# Altium PCB SolderingStation-V3.PcbDoc (part 1 of 2)
Units mm, origin at the board's own origin, x right, y up, seen from the top; angles counter-clockwise.
Board outline 138.15 x 60.81 mm, 2 copper layers (Top Layer, Bottom Layer), stack 1.671 mm thick; 179 components, 102 nets, 520 pads, 415 vias.
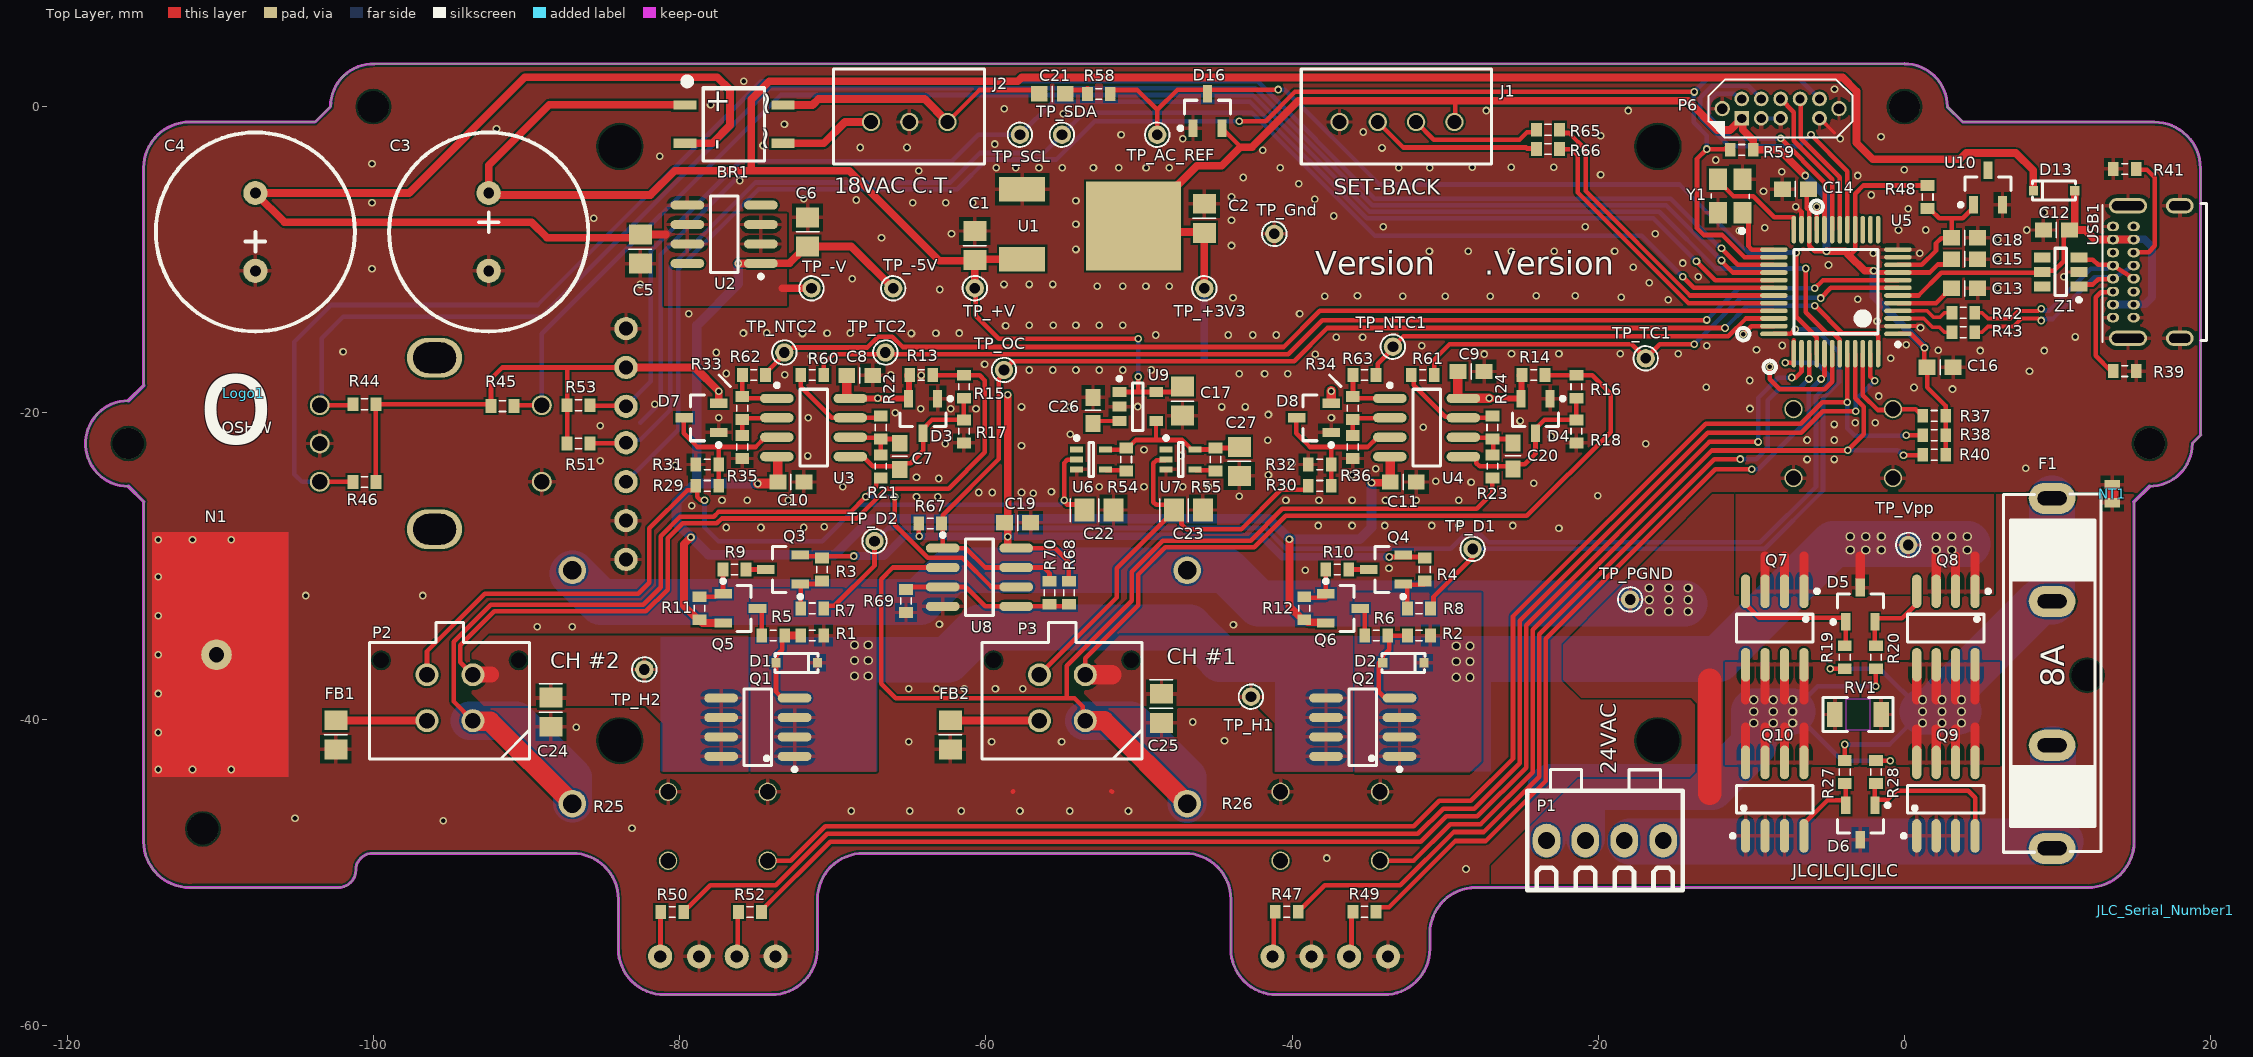
[diagram p0: Top Layer view]
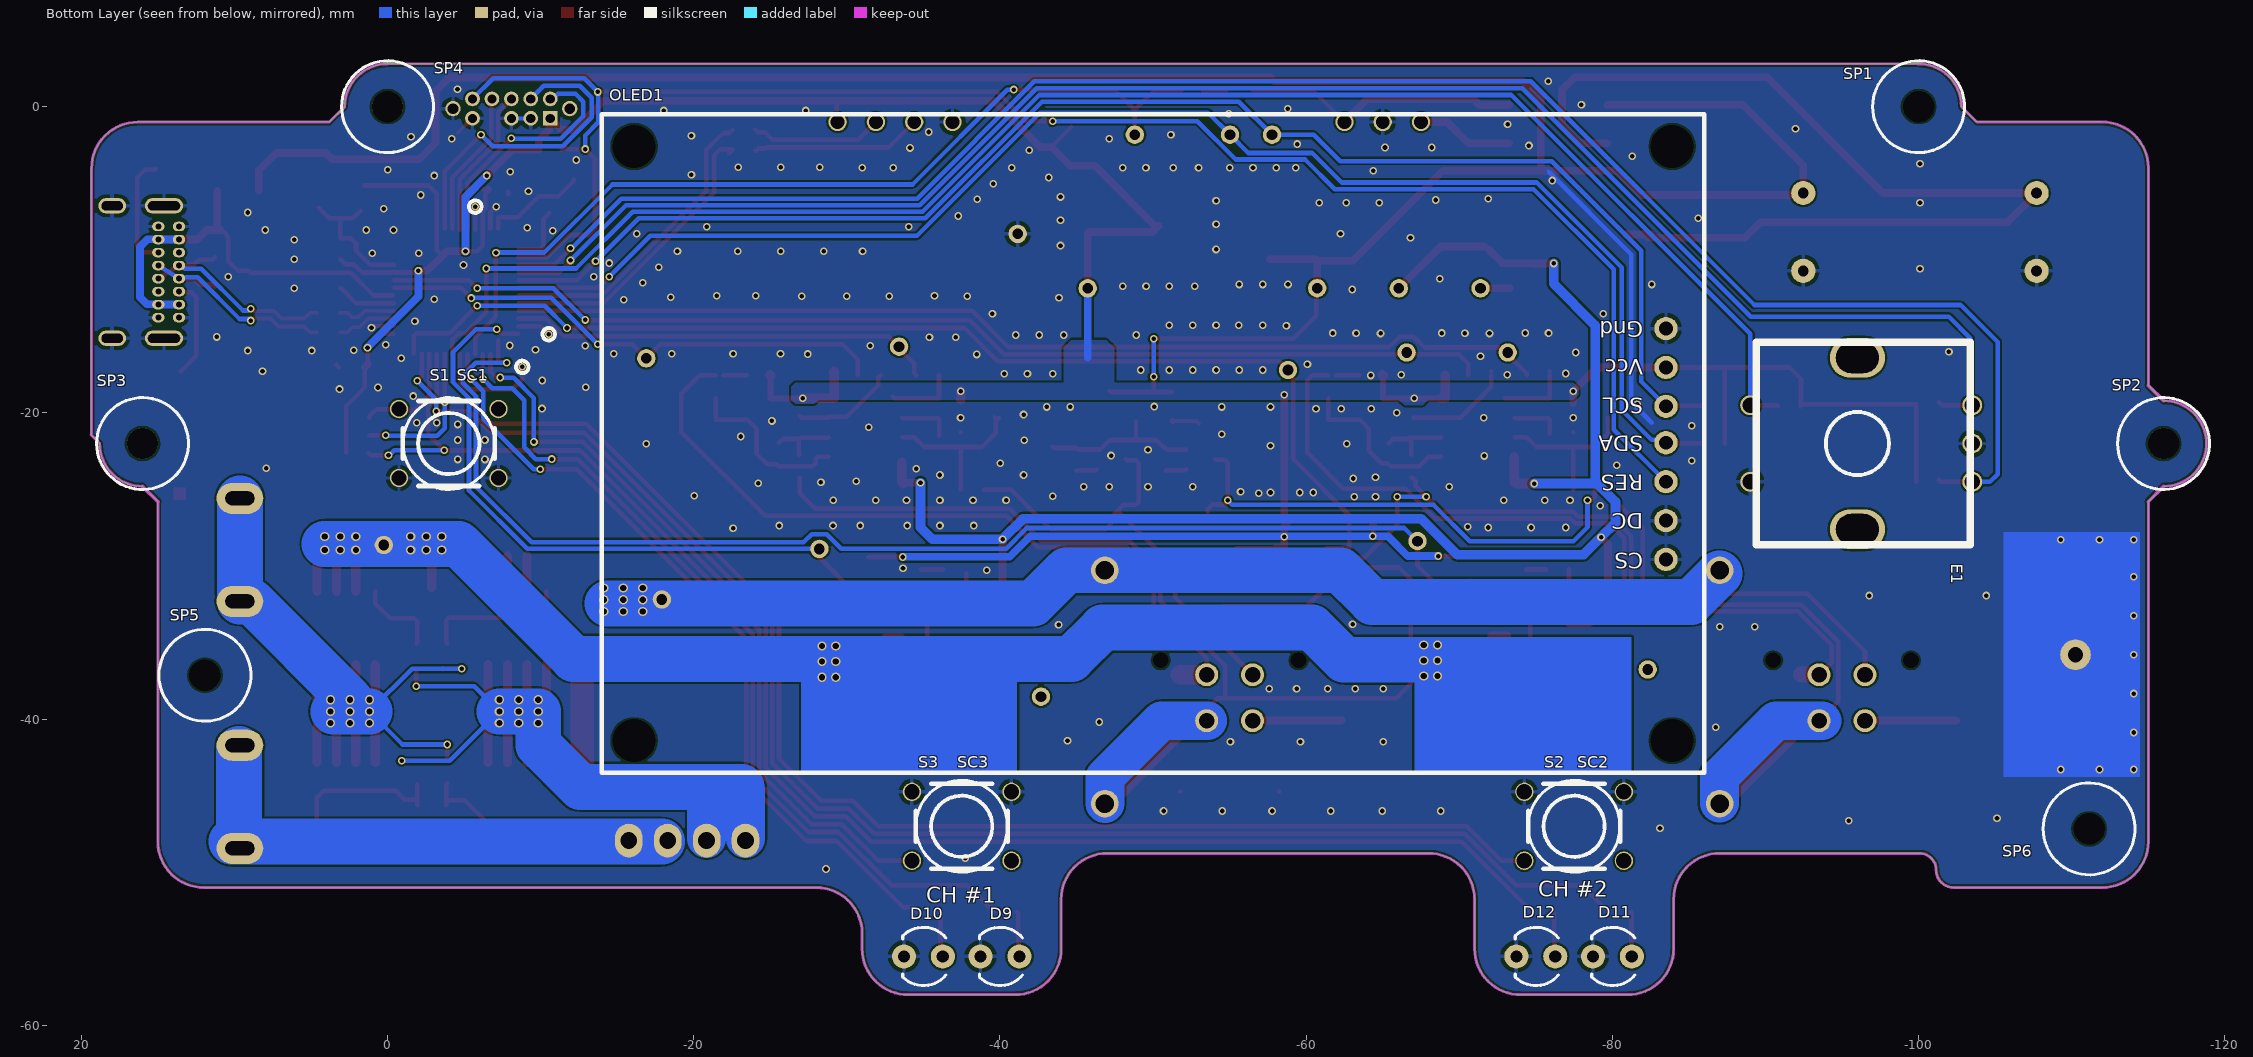
[diagram p1: Bottom Layer view, seen from below]
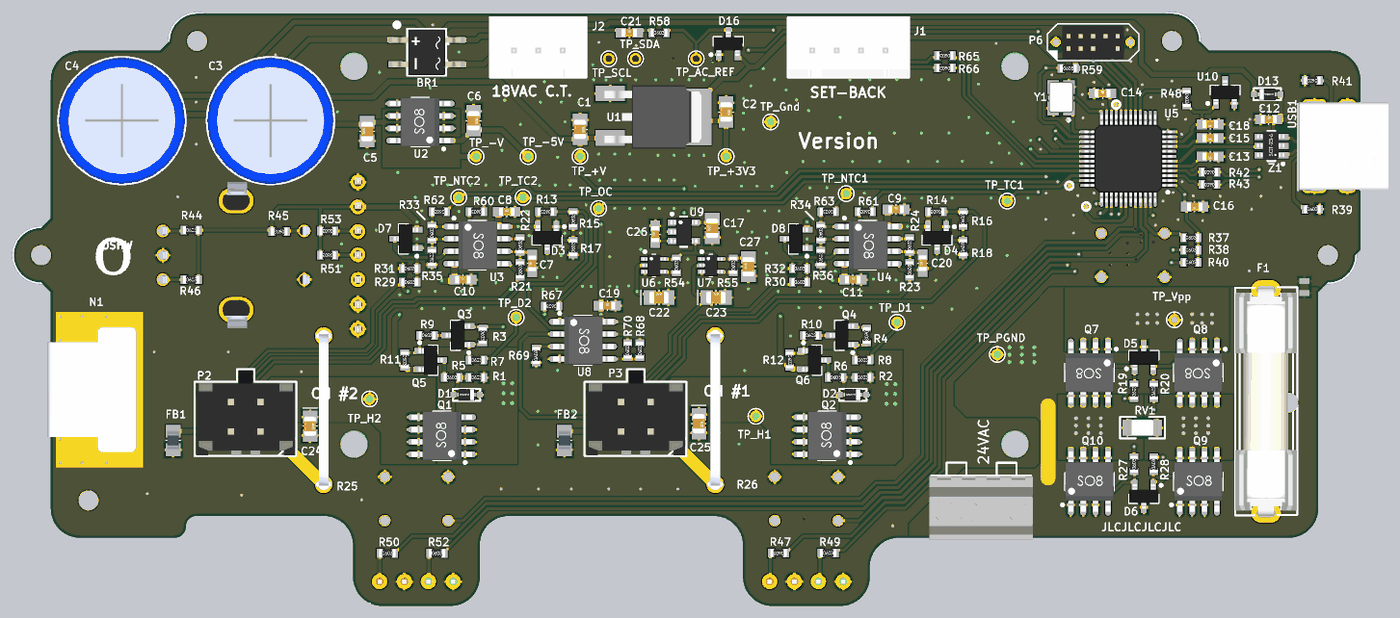
[diagram p3: 3D render of the assembled board from above, using the file's embedded part models]
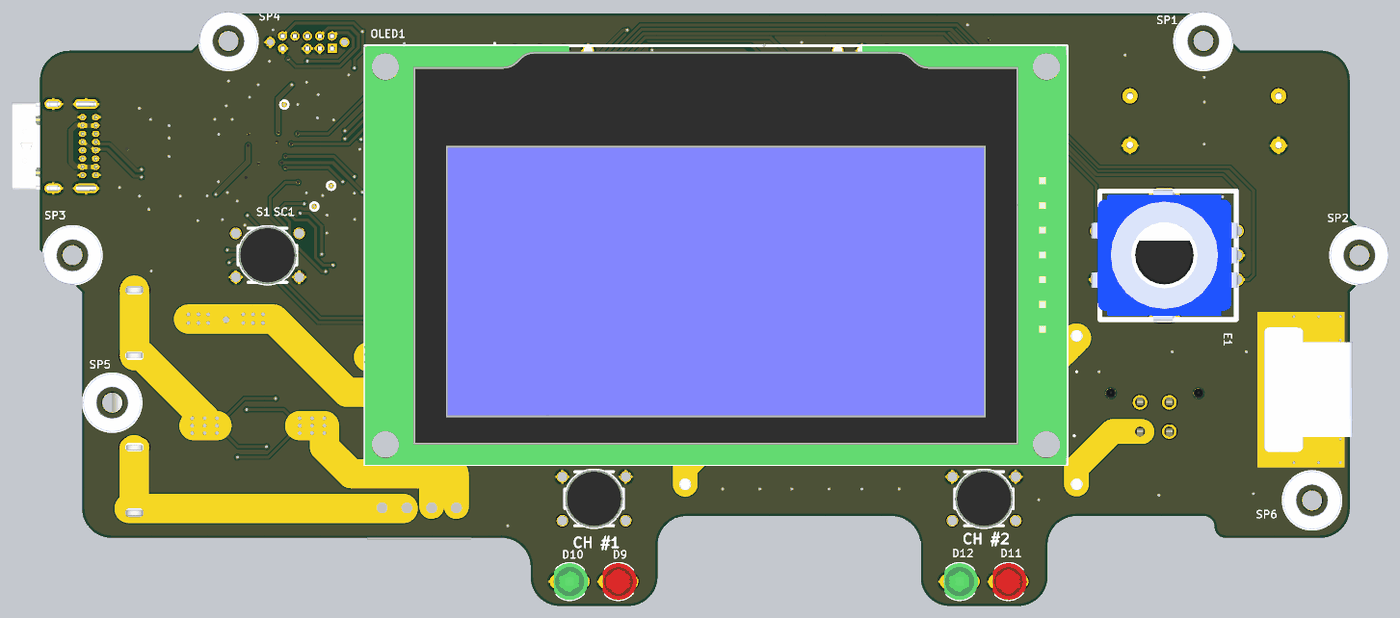
[diagram p4: 3D render of the assembled board from below, using the file's embedded part models]

## Layer stack, top to bottom
Top Solder: solder mask 0.0102, Solder Resist, Dk 3.5
Top Layer: signal copper 0.0356
Dielectric 1: dielectric 1.6, FR-4, Dk 4.8
Bottom Layer: signal copper 0.0356
Bottom Solder: solder mask 0.0102, Solder Resist, Dk 3.5

## Board outline
-112,-51 -102.286,-51 ccw(c-102.286,-49.862) -101.148,-49.862 cw(c-100.048,-49.862) -100.048,-48.762 -100.048,-48.765 -87,-48.765 cw(c-87,-51.765) -84,-51.765 -84,-55 ccw(c-81,-55) -81,-58 -74,-58 ccw(c-74,-55) -71,-55 -71,-51.765 cw(c-68,-51.765) -68,-48.765 -47,-48.765 cw(c-47,-51.765) -44,-51.765 -44,-55 ccw(c-41,-55) -41,-58 -34,-58 ccw(c-34,-55) -31,-55 -31,-54 cw(c-28,-54) -28,-51 12,-51 ccw(c12,-48) 15,-48 15,-25.8 16,-24.8 ccw(c16,-22) 18.8,-22 19.355,-21.445 19.34,-21.445 19.34,-4.013 19.329,-4.013 ccw(c16.329,-4.013) 16.329,-1.013 16.329,-1 3.8,-1 2.8,0 ccw(c0,0) 0,2.8 0,2.814 -99.926,2.799 ccw(c-100,0) -102.8,0 -103.8,-1 -112,-1 ccw(c-112,-4) -115,-4 -115,-18.2 -116,-19.2 ccw(c-116,-22) -116,-24.8 -115,-25.8 -115,-48 ccw(c-112,-48)

## Design rules (kind name [scope] priority, off if disabled: settings)
Clearance [All] p1: gap=0.127 ignorepadtopadclearanceinfootprint=FALSE
DiffPairsRouting [All] p1: maxlimit=0.254 minlimit=0.254 mostfreqgap=0.254 toplayer_minwidth=0.254 toplayer_maxwidth=0.381 toplayer_prefwidth=0.381 bottomlayer_minwidth=0.254 bottomlayer_maxwidth=0.381 bottomlayer_prefwidth=0.381 maxuncoupledlength=12.7
HoleSize [All] p1: absolutevalues=TRUE maxlimit=3.1 minlimit=0.025 maxpercent=80.000 minpercent=20.000
MinimumSolderMaskSliver [All] p1 off: minsoldermaskwidth=0.254
PolygonConnect PolygonConnect_Via [IsPolygon vs IsVia] p1: connectstyle=Direct reliefconductorwidth=0.254 reliefentries=4 polygonreliefangle="90 Angle" airgapwidth=0.254
PolygonConnect [All] p2: connectstyle=Relief reliefconductorwidth=0.254 reliefentries=4 polygonreliefangle="90 Angle" airgapwidth=0.254
RoomDefinition SolderingStation_Control [InComponentClass('SolderingStation_Control')] p1: confinementstyle=ConfineIn formatcopy=TRUE lockcomponents=FALSE outline -121.043,-59.006 24,-59.006 24,5 -121.043,5
RoomDefinition SolderingStation_Power [InComponentClass('SolderingStation_Power')] p2: confinementstyle=ConfineIn formatcopy=TRUE lockcomponents=FALSE outline -121,-59 21,-59 21,5 -121,5
RoomDefinition SolderingStation_Processor [InComponentClass('SolderingStation_Processor')] p3: confinementstyle=ConfineIn formatcopy=TRUE lockcomponents=FALSE outline -121,-59 24,-59 24,5 -121,5
RoutingVias [All] p1: holewidth=0.711 width=1.27 viastyle="Through Hole" minholewidth=0.711 minwidth=1.27 maxholewidth=0.711 maxwidth=1.27
SilkToSilkClearance [All] p1 off: silktosilkclearance=0.254
SilkToSolderMaskClearance [IsPad] p1 off: minsilkscreentomaskgap=0.254 clearancetoexposedcopper=TRUE
SolderMaskExpansion [All] p1: expansion=0.102 istentingtop=FALSE
Width [All] p1: maxlimit=4 minlimit=0.254 preferedwidth=0.254
25 further rules are at their usual default settings.

## Classes and differential pairs
component class SolderingStation_Power: BR1 C1 C2 C3 C4 C5 C6 C17 C21 C26 C27 D5 D6 D13 D16 F1 J2 N1 NT1 P1 Q7 Q8 Q9 Q10 R19 R20 R27 R28 R58 RV1 SP1 SP2 SP3 SP4 SP5 SP6 TP_+3V3 TP_+V TP_-5V TP_-V TP_AC_REF TP_PGND TP_Vpp U1 U2 U9
component class SolderingStation_Processor: C12 C13 C14 C15 C16 C18 D9 D10 D11 D12 E1 J1 JLC_Serial_Number1 Logo1 OLED1 P6 R37 R38 R39 R40 R41 R42 R43 R44 R45 R46 R47 R48 R49 R50 R51 R52 R53 R59 R65 R66 S1 S2 S3 SC1 SC2 SC3 TP_Gnd TP_SCL TP_SDA U5 U10 USB1 Y1 Z1
component class SolderingStation_Control: C7 C8 C9 C10 C11 C19 C20 C22 C23 C24 C25 D1 D2 D3 D4 D7 D8 FB1 FB2 P2 P3 Q1 Q2 Q3 Q4 Q5 Q6 R1 R2 R3 R4 R5 R6 R7 R8 R9 R10 R11 R12 R13 R14 R15 R16 R17 R18 R21 R22 R23 R24 R25 R26 R29 R30 R31 R32 R33 R34 R35 R36 R54 R55 R60 R61 R62 R63 R67 R68 R69 R70 TP_D1 TP_D2 TP_H1 TP_H2 TP_NTC1 TP_NTC2 TP_OC TP_TC1 TP_TC2 U3 U4 U6 U7 U8
differential pair USBD: +USBD_P -USBD_N
differential pair USBD_R: +USBD_R_P -USBD_R_N

## Components (designator, comment, footprint, x,y, rotation, side; value= is the part's Value field where it differs from the comment)
BR1 "MB1S" MB1S -76.454,-1.143 r0 top
C1 "100nF" CCNP2012-0805 -60.718,-9.07 r270 top
C2 "10uF" CCNP2012-0805 -45.732,-7.292 r270 top
C3 "470uF/50V" RB5/13X21MM -92.468,-8.181 r270 top
C4 "470uF/50V" RB5/13X21MM -107.708,-8.181 r90 top
C5 "2.2uF" CCNP2012-0805 -82.562,-9.299 r90 top
C6 "10uF" CCNP2012-0805 -71.64,-8.181 r270 top
C7 "100nF" CCNP1608-0603 -65.62,-22.837 r90 top
C8 "100nF" CCNP1608-0603 -68.237,-17.551 r0 top
C9 "100nF" CCNP1608-0603 -28.308,-17.297 r0 top
C10 "100nF" CCNP1608-0603 -72.733,-24.511 r0 top
C11 "100nF" CCNP1608-0603 -32.733,-24.511 r0 top
C12 "100nF" CCNP1608-0603 9.919,-8.054 r0 top
C13 "2.2uF" CCNP1608-0603 3.925,-11.864 r180 top
C14 "100nF" CCNP1608-0603 -7.124,-5.387 r0 top
C15 "100nF" CCNP1608-0603 3.925,-9.959 r180 top
C16 "100nF" CCNP1608-0603 2.324,-17.018 r180 top
C17 "2.2uF" CCNP2012-0805 -47.154,-19.23 r90 top
C18 "100nF" CCNP1608-0603 3.925,-8.562 r180 top
C19 "100nF" CCNP1608-0603 -57.924,-27.18 r0 top
C20 "100nF" CCNP1608-0603 -25.564,-22.811 r90 top
C21 "100nF" CCNP1608-0603 -55.663,0.836 r0 top
C22 "1uF" CC2012-0805 -52.613,-26.342 r0 top
C23 "1uF" CC2012-0805 -46.771,-26.342 r0 top
C24 "1uF" CC2012-0805 -88.404,-39.55 r270 top
C25 "1uF" CC2012-0805 -48.526,-39.296 r270 top
C26 "100nF" CCNP1608-0603 -52.996,-19.84 r90 top
C27 "10uF" CCNP2012-0805 -43.446,-23.167 r90 top
D1 "BZT52C12S-7-F" SOD-323 -72.352,-36.322 r0 top
D2 "BZT52C12S-7-F" SOD-323 -32.728,-36.322 r0 top
D3 "BAV199LT1G" SOT23_N -64.097,-20.193 r90 top
D4 "BAV199LT1G" SOT23_N -24.097,-20.193 r90 top
D5 "DZ23C12" SOT23_N -2.883,-32.528 r270 top
D6 "AZ23C7V5" SOT23_N -2.883,-46.752 r90 top
D7 "BAV199LT1G" SOT23_N -78.575,-20.32 r0 top
D8 "BAV199LT1G" SOT23_N -38.57,-20.32 r0 top
D9 "LED" "LED3MM-RED - 10MM PROUD" -40,-55.5 r0 bottom locked
D10 "LED" "LED3MM-GREEN - 10MM PROUD" -35,-55.5 r0 bottom locked
D11 "LED" "LED3MM-RED - 10MM PROUD" -80,-55.5 r0 bottom locked
D12 "LED" "LED3MM-GREEN - 10MM PROUD" -75,-55.5 r0 bottom locked
D13 "NSR0530HT1G" SOD-323 9.767,-5.489 r180 top
D16 "BAT54S" SOT23_N -45.517,-0.279 r270 top
E1 "PEC12R-4217F" "ROTARYENCODER - PEC12R" -96,-22 r90 bottom locked
F1 "Bell FC-211-22" FUSE_CLIP_5x20 9.64,-37.01 r90 top value="10 A"
FB1 "Ferrite Bead" FB2012-0805 -102.451,-41.021 r90 top
FB2 "Ferrite Bead" FB2012-0805 -62.319,-41.021 r90 top
J1 "JST XH Connector, 4-Pin" JST-B4B-XH-AX -33.147,-1 r180 top
J2 "JST XH Connector, 3-Pin" JST-B3B-XH-AX -65,-1 r180 top
JLC_Serial_Number1 "JLC_Serial_Number" JLC_Serial_Number 17.056,-52.476 r90 top
Logo1 "OSHW Logo" OSHW -108.47,-18.722 r0 top
N1 "Nalclip-Edge" Nalclip-Edge -110.248,-35.791 r270 top
NT1 "NetTie" NetTie2 13.576,-25.273 r90 top net-tie
OLED1 "OLED_Display" OLED_DISPLAY_128X64_2.4INCH -50,-22 r0 bottom locked
P1 "Terminal4_BUCHANAN" TYCO-282834-4 -19.57,-47.932 r0 top
P2 "MOLEX-43045-0412" MOLEX-43045-0412 -95,-38.603 r0 top locked
P3 "MOLEX-43045-0412" MOLEX-43045-0412 -55,-38.603 r0 top locked
P6 "SWD Connector 2x5-Pin" SWD-2x5-Jig-Header -10.63,-0.762 r0 top locked
Q1 "FDS4675" SO-8_N -74.892,-40.529 r90 top
Q2 "FDS4675" SO-8_N -35.38,-40.529 r90 top
Q3 "MMBT3906LT1G" SOT23_N -73.241,-30.226 r0 top
Q4 "MMBT3906LT1G" SOT23_N -33.871,-30.226 r0 top
Q5 "MMBT3904LT1G" SOT23_N -76.035,-32.766 r180 top
Q6 "MMBT3904LT1G" SOT23_N -36.665,-32.766 r180 top
Q7 "FDS4675" SO-8_N -8.471,-34.052 r180 top
Q8 "FDS4675" SO-8_N 2.705,-34.052 r180 top
Q9 "FDS4672" SO-8_N 2.705,-45.228 r0 top
Q10 "FDS4672" SO-8_N -8.471,-45.228 r0 top
R1 "75K" CR1608-0603_N -71.336,-34.544 r0 top
R2 "75K" CR1608-0603_N -31.712,-34.544 r0 top
R3 "15K" CR1608-0603_N -70.701,-30.226 r270 top
R4 "15K" CR1608-0603_N -31.331,-30.226 r270 top
R5 "7k5" CR1608-0603_N -73.876,-34.544 r0 top
R6 "7k5" CR1608-0603_N -34.506,-34.544 r0 top
R7 "39K" CR1608-0603_N -71.336,-32.766 r0 top
R8 "39K" CR1608-0603_N -31.712,-32.766 r0 top
R9 "43K" CR1608-0603_N -76.416,-30.226 r0 top
R10 "43K" CR1608-0603_N -37.046,-30.226 r0 top
R11 "30K" CR1608-0603_N -78.702,-32.766 r270 top
R12 "30K" CR1608-0603_N -39.205,-32.766 r270 top
R13 "100K" CR1608-0603_N -64.224,-17.526 r180 top
R14 "100K" CR1608-0603_N -24.224,-17.526 r180 top
R15 "1K 1%" CR1608-0603_N -61.43,-18.288 r90 top
R16 "1K 1%" CR1608-0603_N -21.43,-18.288 r90 top
R17 "100K 1%" CR1608-0603_N -61.43,-21.209 r90 top
R18 "100K 1%" CR1608-0603_N -21.43,-21.209 r90 top
R19 "4K3" CR1608-0603_N -3.899,-35.957 r90 top
R20 "4K3" CR1608-0603_N -1.867,-35.957 r90 top
R21 "1K 1%" CR1608-0603_N -66.865,-23.495 r90 top
R22 "100K 1%" CR1608-0603_N -66.865,-20.955 r90 top
R23 "1K 1%" CR1608-0603_N -26.911,-23.495 r90 top
R24 "100K 1%" CR1608-0603_N -26.916,-20.955 r90 top
R25 "OAR3-R050FI" OAR3-R050FI -87.007,-37.899 r270 top
R26 "OAR3-R050FI" OAR3-R050FI -46.85,-37.899 r270 top
R27 "4K3" CR1608-0603_N -3.899,-43.45 r90 top
R28 "4K3" CR1608-0603_N -1.867,-43.45 r90 top
R29 "22K 1%" CR1608-0603_N -78.194,-24.765 r0 top
R30 "22K 1%" CR1608-0603_N -38.194,-24.765 r0 top
R31 "10K 1%" CR1608-0603_N -78.194,-23.368 r0 top
R32 "10K 1%" CR1608-0603_N -38.194,-23.368 r0 top
R33 "10K 1%" CR1608-0603_N -75.908,-19.685 r90 top
R34 "10K 1%" CR1608-0603_N -36.03,-19.685 r90 top
R35 "22K 1%" CR1608-0603_N -75.908,-22.225 r90 top
R36 "22K 1%" CR1608-0603_N -36.03,-22.225 r90 top
R37 "10K" CR1608-0603_N 1.943,-20.193 r0 top
R38 "10K" CR1608-0603_N 1.943,-21.463 r0 top
R39 "5k1" CR1608-0603_N 14.389,-17.272 r0 top
R40 "10K" CR1608-0603_N 1.943,-22.733 r0 top
R41 "5k1" CR1608-0603_N 14.389,-4.064 r180 top
R42 "33R" CR1608-0603_N 3.848,-13.462 r180 top value="33 ohm"
R43 "33R" CR1608-0603_N 3.848,-14.732 r180 top value="33 ohm"
R44 "10K" CR1608-0603_N -100.584,-19.431 r0 top
R45 "10K" CR1608-0603_N -91.567,-19.558 r180 top
R46 "10K" CR1608-0603_N -100.584,-24.511 r0 top
R47 "470R" CR1608-0603_N -40.348,-52.578 r180 top
R48 "1K" CR1608-0603_N 1.512,-5.895 r270 top
R49 "470R" CR1608-0603_N -35.268,-52.578 r0 top
R50 "470R" CR1608-0603_N -80.48,-52.594 r0 top
R51 "4k7" CR1608-0603_N -86.6,-22 r180 top
R52 "470R" CR1608-0603_N -75.4,-52.594 r0 top
R53 "4k7" CR1608-0603_N -86.6,-19.5 r180 top
R54 "1K2" CR1608-0603_N -50.835,-23.04 r90 top
R55 "1K2" CR1608-0603_N -44.993,-23.04 r90 top
R58 "15K" CR1608-0603_N -52.615,0.836 r0 top
R59 "10K" CR1608-0603_N -10.63,-2.819 r0 top
R60 "0R" CR1608-0603_N -71.336,-17.526 r180 top
R61 "0R" CR1608-0603_N -31.458,-17.526 r180 top
R62 "0R" CR1608-0603_N -75.146,-17.526 r180 top
R63 "0R" CR1608-0603_N -35.268,-17.526 r180 top
R65 "1K" CR1608-0603_N -23.281,-1.502 r180 top
R66 "1K" CR1608-0603_N -23.281,-2.772 r180 top
R67 "10K" CR1608-0603_N -63.639,-27.231 r180 top
R68 "10K 1%" CR1608-0603_N -54.572,-31.75 r90 top
R69 "1K 1%" CR1608-0603_N -65.214,-32.286 r90 top
R70 "100K" CR1608-0603_N -55.842,-31.75 r90 top
RV1 "V33MLA1206NHAUTO" VR3216-1206 -3.035,-39.7 r180 top
S1 "SW_PB-FSM4JAH" SW_MIN_PB-B3F1052 -4,-22 r180 bottom locked
S2 "SW_PB-FSM4JAH" SW_MIN_PB-B3F1052 -77.5,-47 r0 bottom locked
S3 "SW_PB-FSM4JAH" SW_MIN_PB-B3F1052 -37.5,-47 r0 bottom locked
SC1 "B32-2010" SW-CAP-B32-2010 -4,-22 r180 bottom locked
SC2 "B32-2010" SW-CAP-B32-2010 -77.5,-47 r180 bottom locked
SC3 "B32-2010" SW-CAP-B32-2010 -37.5,-47 r180 bottom locked
SP1 "6MM Spacer" SPACER-6MM#1 -100,0 r180 bottom locked
SP2 "6MM Spacer" SPACER-6MM#2 -116,-22 r180 bottom locked
SP3 "6MM Spacer" SPACER-6MM#2 16,-22 r180 bottom locked
SP4 "6MM Spacer" SPACER-6MM#2 0,0 r180 bottom locked
SP5 "6MM Spacer" Spacer-6mm 11.926,-37.137 r180 bottom
SP6 "6MM Spacer" Spacer-6mm -111.137,-47.17 r180 bottom
TP_+3V3 "Vdd" "PCBPIN - 0.7mm" -45.732,-11.864 r90 top
TP_+V "Vdd" "PCBPIN - 0.7mm" -60.718,-11.852 r90 top
TP_-5V "Vdd" "PCBPIN - 0.7mm" -66.052,-11.864 r90 top
TP_-V "Vdd" "PCBPIN - 0.7mm" -71.386,-11.864 r90 top
TP_AC_REF "Vdd" "PCBPIN - 0.7mm" -48.805,-1.831 r90 top
TP_D1 "Vdd" "PCBPIN - 0.7mm" -28.206,-28.882 r0 top
TP_D2 "Vdd" "PCBPIN - 0.7mm" -67.271,-28.374 r0 top
TP_Gnd "Gnd" "PCBPIN - 0.7mm" -41.16,-8.308 r90 top
TP_H1 "Vdd" "PCBPIN - 0.7mm" -42.684,-38.534 r0 top
TP_H2 "Vdd" "PCBPIN - 0.7mm" -82.308,-36.756 r0 top
TP_NTC1 "Vdd" "PCBPIN - 0.7mm" -33.413,-15.674 r0 top
TP_NTC2 "Vdd" "PCBPIN - 0.7mm" -73.164,-16.055 r0 top
TP_OC "Vdd" "PCBPIN - 0.7mm" -58.815,-17.197 r0 top
TP_PGND "Vdd" "PCBPIN - 0.7mm" -17.919,-32.184 r90 top
TP_SCL "SCL" "PCBPIN - 0.7mm" -57.772,-1.831 r90 top